# Altium PCB Pleiades_PP.PcbDoc (part 13 of 15)
Units mil, origin at the board's own origin, x right, y up, seen from the top; angles counter-clockwise.
Board outline 12244.09 x 4515.28 mil, 12 copper layers (TOP, GND1, IN1, GND2, POW1, GND3, POW2, GND4, GND5, IN2, GND6, BOT), stack 63.546 mil thick; 1447 components, 738 nets, 4532 pads, 3316 vias.
Unrouted connection lines stored in the file: 499.
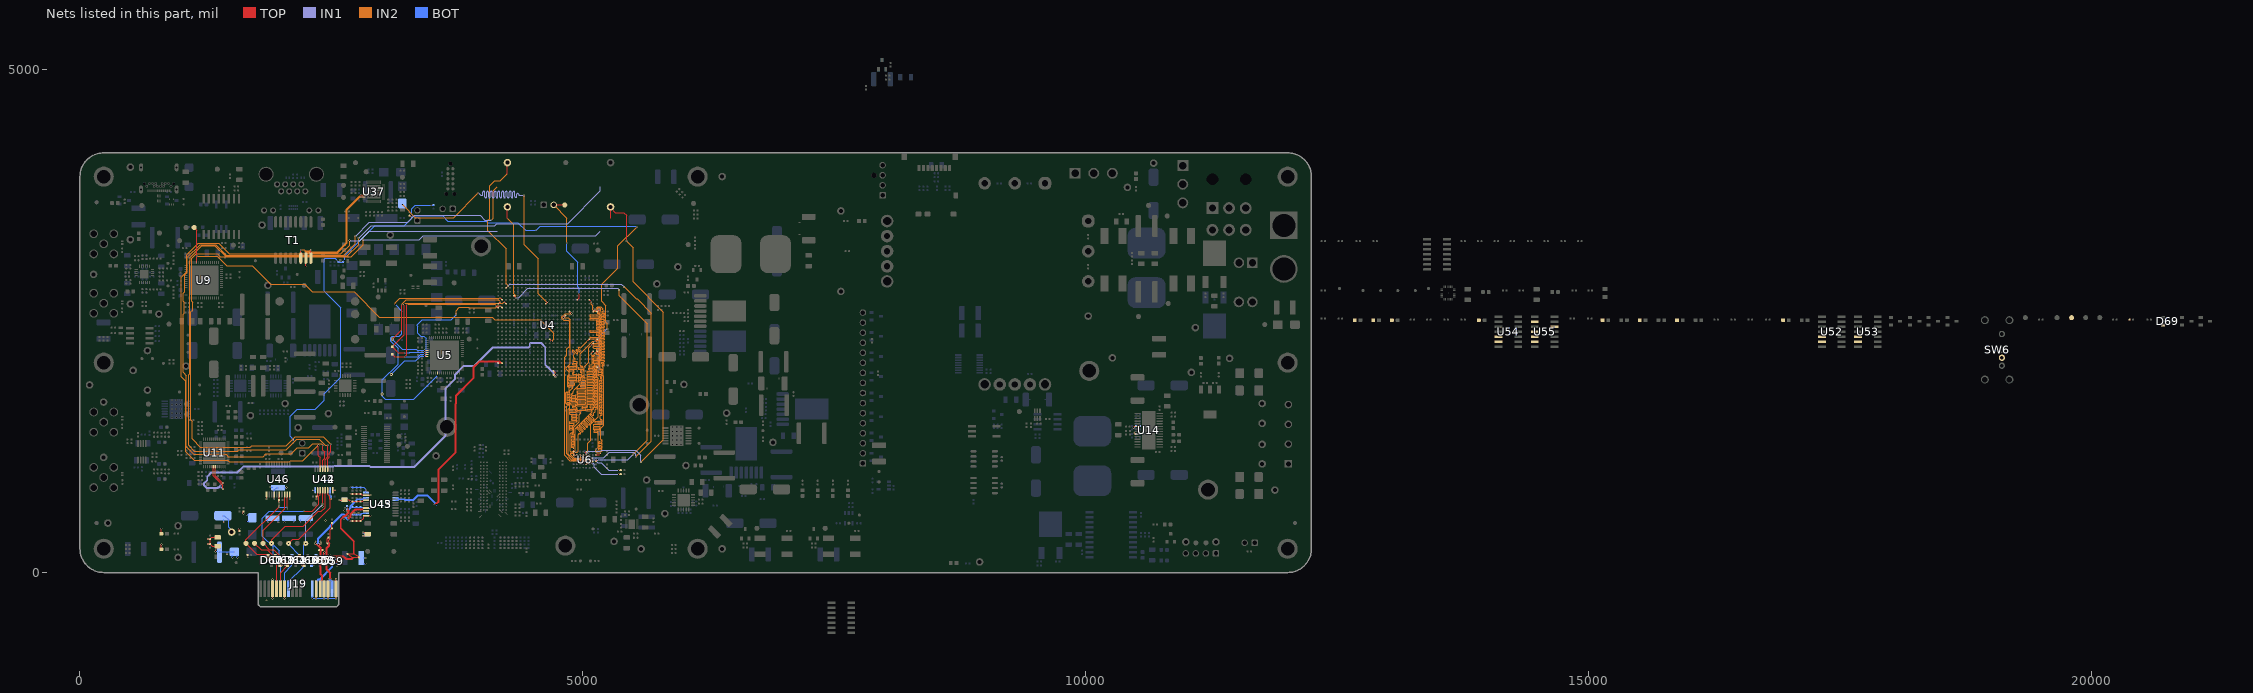
[diagram p23: the nets of this part, all layers, seen from the top]

## Via types
v1: diameter 12/18/18/18/18/18/18/18/18/18/18/12 (per signal layer), hole 6, TOP to BOT, 2739 vias
v2: diameter 20, hole 10, TOP to BOT, 363 vias
v3: diameter 19.68, hole 7.87, TOP to BOT, 110 vias
v4: diameter 40, hole 20, TOP to BOT, 36 vias
v5: diameter 25, hole 12, TOP to BOT, 32 vias
v6: diameter 22, hole 12, TOP to BOT, 27 vias
v7: diameter 19.68, hole 11.81, TOP to BOT, 9 vias

## Nets (pads, with @x,y where several pads share a name; then routed paths per layer and width w, separated by ;. In a path a pad name is that pad's centre, name@x,y a point inside that pad or via, vN(x,y) a via of type N, cw(c..) or ccw(c..) an arc to the next point about the centre after c; other vN are vias at no path point) (continued)
PCI_GND: C539.2 C540.2 C543.1 C544.2 C545.1 C548.1 C549.2 C550.2 C551.2 C552.2 C553.2 C554.2 C555.2 C556.2 C557.2 C558.2 C559.2 C560.2 C561.2 C562.2 C563.2 C571.1 C572.2 C573.2 C574.2 C575.2 C580.2 C581.2 C582.2 C583.2 C584.2 C585.2 C586.2 C594.2 C595.2 C596.2 C597.2 C602.1 D54.2 D55.2 D56.2 D57.2 D58.3 D58.8 D59.4 D60.1 D61.1 D62.1 D63.1 D64.1 D65.1 D66.1 D67.1 D68.1 J19.A4 J19.A12 J19.A15 J19.A18 J19.B4 J19.B7 J19.B13 J19.B16 J19.B18 R344.2 TP148.1 U42.2 U42.8 U43.2 U43.4 U43.10 U44.2 U44.8 U45.2 U45.4 U45.10 U46.11 U46.14 U46.16 U46.20 | length 4109.7
  TOP w10: D56.2@808.96,231.12 v1(808.96,280.07) ; D57.2@808.96,386 v1(808.96,434.96) ; v1(1272.5,282.5) C558.2@1295,282.5 ; v1(1272.5,332.5) C562.2@1295,332.5 ; v1(1347.5,210) 1347.5,210.54 1349.62,212.66 1349.62,232.12 v1(1350,232.5) C557.2@1350,255 ; C563.2@1585,412.5 v1(1585,435) ; v1(1625,585) R344.2@1625,607.5 ; v1(1667.5,152.5) C559.2@1667.5,175 ; v1(1854.84,732.5) U46.11@1854.84,755 ; v1(1915,-70.02) 1915.18,-70.2 1915.18,-257.32 v1(1915.35,-257.5) ; v1(1931.61,732.5) U46.14@1931.61,755 ; D67.1@1942,166 v1(1964.5,166) ; v1(1977.5,697.5) C544.2@1977.5,720 ; D68.1@1988,74 v1(2010.5,74) ; v1(2033.98,-257.5) J19.B7@2033.98,-235 ; v1(2085,732.5) U46.20@2085,755 ; v1(2159.5,166) D64.1@2182,166 ; v1(2205.5,74) D66.1@2228,74 ; v1(2348,-257.5) J19.B13@2348,-235 ; v1(2352.5,732.5) C539.2@2352.5,755 ; v1(2425,75) 2425.16,75.16 2425.16,134.84 D58.8@2425.32,135 2425.32,195.31 v1(2430,200) ; v1(2466.54,-257.5) J19.B16@2466.54,-235 ; U42.8@2512.5,818.7 v1(2535,818.7) ; J19.B18@2545,-85 v1(2545,-62.5) ; v1(2545.87,-257.5) J19.B18@2545.87,-235 ; v1(2580.5,720) 2628,720 C572.2@2630,722 ; v1(2687.5,512.5) C550.2@2710,512.5 C552.2@2750,512.5 C554.2@2790,512.5 2819.34,541.84 2819.34,561.84 2822.34,564.84 U43.10@2842.36,564.84 ; v1(2687.5,707.5) C551.2@2710,707.5 C553.2@2750,707.5 C555.2@2790,707.5 2809.48,707.5 2820.36,718.39 U43.4@2842.36,718.39 ; v1(2687.5,782.5) C573.2@2710,782.5 ; v1(2812.5,365) C549.2@2835,365 ; v1(2812.5,398.2) C549.2@2835,398.2 ; U43.10@2867.5,564.84 v1(2890,564.84) ; U43.2@2867.5,769.57 v1(2890,769.57)
  TOP w12: C557.2@1370,263 1314.5,263 C558.2@1295,282.5 C562.2@1295,332.5 1311.5,349 C561.2@1370.08,349 ; C544.2@1977.5,720 1982.8,725.3 U46.16@1982.8,777.36 ; C539.2@2352.5,755 2362.5,765 U42.2@2362.5,818.7 ; C572.2@2630,722 2673,722 v1(2687.5,707.5) ; C573.2@2710,782.5 C574.2@2750,782.5 C575.2@2790,782.5 2800.93,771.57 2840.36,771.57 U43.2@2842.36,769.57
  BOT w10: v1(1347.5,210) C556.2@1370,210 ; v1(1430,502.5) C560.2@1430,525 ; v1(1462.94,182.5) 1462.94,205 ; v1(1515,147.5) D55.2@1515,170 ; v1(1565,147.5) D55.2@1565,170 ; v1(1657.5,510) D54.2@1680,510 ; v1(1657.5,575) D54.2@1680,575 ; v1(1845.5,166) D60.1@1868,166 ; v1(1868,500.21) C571.1@1868,522.71 ; v1(1892.5,850) C543.1@1915,850 ; J19.A4@1915,-92.52 v1(1915,-70.02) ; v1(1915.35,-257.5) J19.A4@1915.35,-235 ; v1(1931.61,732.5) 1931.61,821.64 1953.97,844 C543.1@1970,844 ; v1(1972.5,500.5) C571.1@1972.5,523 ; C543.1@2030,845 v1(2052.5,845) ; v1(2033.46,500.21) C548.1@2033.46,522.71 ; v1(2039.5,74) D61.1@2062,74 ; D62.1@2108,166 v1(2130.5,166) ; v1(2130.5,500.21) C548.1@2130.5,522.71 ; v1(2195.5,500.21) C602.1@2195.5,522.71 ; v1(2295,500.21) C602.1@2295,522.71 ; D63.1@2302,74 v1(2324.5,74) ; J19.A12@2309.06,-235 v1(2309.06,-257.5) v1(2348,-257.5) v1(2427.17,-257.5) ; v1(2315,818.7) U44.8@2337.5,818.7 ; D65.1@2348,166 v1(2370.5,166) ; J19.A15@2427.17,-235 v1(2427.17,-257.5) ; v1(2497.5,732.5) C540.2@2497.5,755 ; D59.4@2540,130 v1(2540,152.5) ; J19.A18@2545,-85 v1(2545,-62.5) ; J19.A18@2545.87,-235 v1(2545.87,-257.5) v1(2466.54,-257.5) v1(2427.17,-257.5) ; v1(2580.5,720) C580.2@2603,720 ; v1(2687.5,847.5) C581.2@2710,847.5 C583.2@2750,847.5 C585.2@2783.38,847.5 ; C595.2@2710,576.1 2730,576.1 ; C582.2@2710,651.1 C584.2@2750,651.1 C586.2@2790,651.1 2810.88,651.1 2820.36,641.61 U45.4@2842.36,641.61 ; v1(2729.41,593) 2729.79,592.62 2729.79,582.21 2730,582 2730,576.1 ; v1(2770.15,592.62) 2770,592.47 2770,576.1 ; C585.2@2790,847.5 2822.5,847.5 2842.13,827.87 2842.13,818.63 v1(2842.36,818.4) U45.10@2842.36,795.16 ; v1(2812.5,365) 2812.88,365.38 2843.38,365.38 C594.2@2860,382 2844.19,397.81 2812.88,397.81 v1(2812.5,398.2) ; C545.1@2815,86.84 v1(2837.5,86.84) ; C545.1@2815,145.15 v1(2837.5,145.15) ; U45.2@2842.36,590.43 2839.36,587.43 2801.34,587.43 C597.2@2790,576.1 2770,576.1 ; U45.4@2867.5,641.55 v1(2890,641.55) ; 2730,576.1 C596.2@2750,576.1 2770,576.1
  BOT w12: C556.2@1387,201.12 1390.88,205 D55.2@1535,205 ; C560.2@1420.71,565 1434.92,565 1476.72,523.2 1476.72,449.35 1507.87,418.19 TP148.1@1507.87,402.02 ; U44.2@2487.5,818.7 2487.5,765 C540.2@2497.5,755
  other v1: 1855,-275 2556.7,67.91 2577,108.19 2511.24,147.47 2481.56,177.31 2370.5,277.64 2344.85,311.9 2390.15,311.9 2440.6,516.8 2624.99,530 2667.11,561.84 2628.13,615.45 2060.07,634.99 2636.5,644.09 2412.5,657 1977.5,667.2
PCI_HSI0_18_N: C538.1 D58.5 D58.6 J19.A17 TP137.1 | length 716.6
  TOP w4.33: v1(2500.15,-64.21) 2492.81,-56.88 2492.81,-2.31 2459.51,30.99 2459.51,94.58 2464.69,99.76 D58.5@2464.69,104.68 2464.69,109.61 2459.51,114.79 2459.51,124.9 2464.69,130.08 D58.6@2464.69,135 2464.69,139.92 2459.51,145.1 2459.51,241.12 2484.43,266.04 2484.43,290.57 2475.16,299.84 2475.16,321.16 2489,335 2489,424 TP137.1@2505,440 C538.1@2505,492.5
  BOT w4.33: v1(2500.15,-64.21) 2499.18,-64.21 2490.88,-72.51 2490.88,-78.37 2493.42,-80.9 2493.6,-80.9 2505.91,-93.21 J19.A17@2505.91,-161.42
PCI_HSI0_18_P: C537.1 D58.4 D58.7 J19.A16 TP136.1 | length 558.6
  TOP w4.33: TP136.1@2460,290 2475.1,274.9 2475.1,269.9 2450.18,244.98 2450.18,145.1 2445,139.92 D58.7@2445,135 2445,130.08 2450.18,124.9 2450.18,114.79 2445,109.61 D58.4@2445,104.68 2445,99.76 2450.18,94.58 2450.18,27.13 2483.49,-6.18 2483.49,-56.88 v1(2476.15,-64.21) ; TP136.1@2460,295 2460,337.5 C537.1@2470,347.5
  BOT w4.33: J19.A16@2466.54,-161.42 2466.54,-93.21 2478.85,-80.9 2479.02,-80.9 2481.56,-78.37 2481.56,-70.58 2476.15,-65.18 v1(2476.15,-64.21)
PCI_HSO0_18_N: D58.2 D58.9 J19.B15 R335.2 TP140.1 U43.8 | length 1224.1
  TOP w4.33: v1(2395,290) 2382.64,277.64 2382.64,261.62 2399.66,244.6 2399.66,231.24 2402.2,228.71 2403.72,228.71 R335.2@2410.42,222 ; R335.2@2412.5,222 R335.2@2410.42,222 ; J19.B15@2427.17,-161.42 2427.17,-93.21 2414.86,-80.9 2414.68,-80.9 2412.14,-78.37 2412.14,-29.55 2400.45,-17.86 2400.45,94.58 2405.63,99.76 D58.2@2405.63,104.68 2405.63,109.61 2400.45,114.79 2400.45,124.9 2405.63,130.08 D58.9@2405.63,135 2405.63,139.92 2400.45,145.1 2400.45,177.31 2399.66,178.09 2399.66,212.76 2402.2,215.29 2403.72,215.29 R335.2@2410.42,222 ; v1(2672.73,523.79) v1(2672.73,523.79) 2672.68,532.84 2694.84,555 2694.84,578.45 2740.54,624.16 2811.99,624.16 2820.12,616.02 U43.8@2842.36,616.02
  BOT w4.33: v1(2395,290) 2374.7,290 2372.16,292.53 2372.16,337.16 2608.21,573.21 2621.13,573.21 2631.75,562.59 2631.75,551.18 2659.14,523.79 v1(2672.73,523.79)
PCI_HSO0_18_P: D58.1 D58.10 J19.B14 R335.1 TP138.1 U43.7 | length 1237.3
  TOP w4.33: v1(2340,290) 2341.08,290 2390.34,240.74 2390.34,231.24 2387.8,228.71 2386.28,228.71 R335.1@2379.58,222 ; R335.1@2377.5,222 R335.1@2379.58,222 ; J19.B14@2387.8,-161.42 2387.8,-93.21 2400.11,-80.9 2400.28,-80.9 2402.82,-78.37 2402.82,-33.41 2391.12,-21.72 2391.12,94.58 2385.94,99.76 D58.1@2385.94,104.68 2385.94,109.61 2391.12,114.79 2391.12,124.9 2385.94,130.08 D58.10@2385.94,135 2385.94,139.92 2391.12,145.1 2391.12,173.44 2390.34,174.23 2390.34,212.76 2387.8,215.29 2386.28,215.29 R335.1@2379.58,222 ; v1(2658.98,543.98) 2660.44,542.51 2665.12,542.51 2665.35,542.28 2668.93,542.28 2685.51,558.86 2685.51,582.32 2736.67,633.48 2811.99,633.48 2820.12,641.61 U43.7@2842.36,641.61
  BOT w4.33: v1(2340,290) 2360.3,290 2362.84,292.53 2362.84,341.03 2604.35,582.53 2624.99,582.53 2641.07,566.45 2641.07,555.04 2653.76,542.35 2653.92,542.51 2657.51,542.51 v1(2658.98,543.98)
PCI_JTAG_EN_7: D69.2 R353.2 SW6.3 TP176.1 U52.13 U53.13 U54.13 U55.13
PCI_REFCLK_18_N: D59.5 J19.A14 R342.2 TP147.1 U45.8 | length 1569.9
  TOP w4.33: v1(2562.5,90.63) 2562.5,91.62 2554.16,99.96 2554.16,156.08 2556.7,158.62 2615.45,158.62 2642.04,132.02 2706.92,132.02 2714.91,140.02 2714.91,147.47 2717.45,150 TP147.1@2775,150 2753.67,171.33 2745.62,171.33 2729.41,187.53 2729.41,310.26 2600,439.67 2600,527.46 2630.84,558.3 2641.65,558.3 2676.82,593.46 2676.82,615.48 2667.11,625.19 2667.11,629.56 2669.44,631.89 2669.44,642.62 v1(2670.91,644.09)
  BOT w4.33: J19.A14@2387.8,-161.42 2387.8,-93.21 2375.49,-80.9 2375.31,-80.9 2372.77,-78.37 2372.77,-72.82 2375.31,-70.29 2388.57,-70.29 2515.23,56.38 2515.23,80.81 2511.24,84.8 2511.24,99.91 2513.78,102.44 2525.24,102.44 2537.05,90.63 D59.5@2540,90.63 v1(2562.5,90.63) ; v1(2670.91,644.09) 2672.99,644.09 2675.52,641.55 2680.86,641.55 2685.51,646.2 2685.51,664.17 2757.19,735.84 2811.99,735.84 2820.12,743.98 U45.8@2842.36,743.98
  BOT w10: R342.2@2655,660 v1(2670.91,644.09)
PCI_REFCLK_18_P: D59.3 J19.A13 R342.1 TP146.1 U45.7 | length 1585
  TOP w4.33: v1(2486.85,152.5) 2501.01,166.66 2545.87,166.66 2546.92,165.61 2550.5,165.61 2552.83,167.94 2619.31,167.94 2645.9,141.35 2703.05,141.35 2705.59,143.88 2705.59,147.47 2688.32,164.73 2680.27,164.73 TP146.1@2660,185 2717.55,185 2720.09,187.53 2720.09,306.4 2590.67,435.81 2590.67,531.32 2626.97,567.62 2637.79,567.62 2667.49,597.33 2667.49,611.62 2661.12,617.99 2657.53,617.99 2655,615.45 v1(2655,602.5)
  BOT w4.33: J19.A13@2348.43,-161.42 2348.43,-93.21 2360.74,-80.9 2360.91,-80.9 2363.45,-78.37 2363.45,-68.96 2371.44,-60.96 2384.7,-60.96 2505.91,60.24 2505.91,76.95 2501.92,80.94 2501.92,103.77 2507.18,109.04 2507.18,112.62 2489.8,130 D59.3@2486.85,130 v1(2486.85,152.5) ; v1(2655,602.5) 2694.84,642.34 2694.84,660.31 2761.05,726.52 2811.99,726.52 2820.12,718.39 U45.7@2842.36,718.39
  BOT w10: v1(2655,602.5) R342.1@2655,625
PCI_SMCLK_18: D67.2 J19.B5 TP161.1 U46.19 | length 1341.6
  TOP w5.95: J19.B5@1954.72,-161.42 1954.72,73.28 1868,160 D67.2@1868,166 1868,172 1856.98,183.02 1756.98,183.02 TP161.1@1650,290 1650,324.1 v1(1977,651.1) ; v1(2059.57,651.1) U46.19@2059.57,777.36
  BOT w5.95: v1(1977,651.1) v1(2059.57,651.1)
PCI_SMDAT_18: D68.2 J19.B6 TP162.1 U46.18 | length 1180.2
  TOP w5.95: J19.B6@1994.09,-161.42 1994.09,0.09 2062,68 D68.2@2062,74 2062,80 1979.48,162.52 1979.48,172.2 1924.79,226.89 1883.11,226.89 TP162.1@1820,290 1820,421.48 2033.98,635.46 U46.18@2033.98,777.36
PCI_TCK: U42.14 U54.12 | length 6973.4
  TOP w10: v1(2370,1265) 2370,1162.65 2387.5,1145.15 U42.14@2387.5,1031.3
  IN1 w10: v1(2680,3300) 2681,3301 2781,3301 2875,3395 4150,3395
  IN2 w5: v1(2370,1265) 2215.46,1110.46 2093.28,1110.46 2082.06,1099.24 1485.76,1099.24 1468.68,1116.32 1133.68,1116.32 1049.5,1200.5 1049.5,1900.5 1005,1945 1005,2935 1060,2990 1060,3160 1175,3275 1380,3275 1485,3170 2595,3170 2680,3255 v1(2680,3300)
PCI_TCK_18: D60.2 J19.A5 TP153.1 U42.3 | length 1776.5
  TOP w5.96: TP153.1@1735,290 1800.64,224.36 1861.14,224.36 v1(1919.5,166) ; v1(2228,611.62) 2310.9,611.62 2376.15,676.87 2376.15,764.2 2387.5,775.56 U42.3@2387.5,818.7
  BOT w5.96: J19.A5@1954.72,-161.42 1954.72,147.28 1942,160 D60.2@1942,166 v1(1919.5,166) 1919.5,254.32 1812.5,361.32 1812.5,540.43 1883.69,611.62 v1(2228,611.62)
PCI_TDI: U42.12 U53.12 | length 8118.3
  TOP w10: U42.12@2437.5,1031.3 2437.5,1122.57 2465,1150.07 v1(2465,1265)
  IN1 w10: v1(2770,3325) 2895,3450 4125.2,3450 4145.2,3470 4850,3470 5175,3795 5175,3835
  IN2 w5: v1(2465,1265) 2439.75,1265 2379.75,1325 2155,1325 2048.5,1218.5 1578.5,1218.5 1568.03,1208.03 1136.97,1208.03 1081,1264 1081,1966 1091.01,1976.01 1091.01,3097.91 1093.93,3100.83 1093.93,3133.93 1210,3250 1340,3250 1442,3148 2658,3148 2770,3260 v1(2770,3325)
PCI_TDI_18: D61.2 J19.A6 TP154.1 U42.5 | length 1361.7
  TOP w5.95: v1(1905,290) 1905,324.85 2041.15,461 2220.41,461 2366.91,607.5 2399.51,607.5 2437.5,645.49 U42.5@2437.5,818.7
  BOT w5.95: v1(1905,290) 1979.48,215.52 1979.48,167.84 1988,159.32 D61.2@1988,74 1994.09,67.91 J19.A6@1994.09,-161.42
PCI_TDO: U42.11 U55.11 | length 7788.4
  TOP w10: U42.11@2462.5,1031.3 2462.5,1129.19 2478.56,1145.25 2478.56,1186.09 2495,1202.53 v1(2495,1275)
  IN1 w10: v1(2815,3310) 3374.51,3310 3414.51,3350 5130,3350 5175,3395
  IN2 w5: v1(2495,1275) 2420,1350 2140,1350 2051.5,1261.5 1707.08,1261.5 1693.42,1247.84 1197.16,1247.84 1115,1330 1115,1505 1101,1519 1101,2591 1120,2610 1120,2685 1110,2695 1110,3125 1155,3170 1365,3170 1395,3140 2695,3140 2815,3260 v1(2815,3310)
PCI_TDO_18: D62.2 J19.A7 TP155.1 U42.6 | length 1302.8
  TOP w5.96: v1(2075,290) 2113.55,328.55 2174.36,328.55 2487.5,641.68 2487.5,721.32 2482.52,726.3 2482.52,755.84 2462.5,775.86 U42.6@2462.5,818.7
  BOT w5.96: J19.A7@2033.46,-161.42 2033.46,0.15 2103.23,69.92 2103.23,81.23 2182,160 D62.2@2182,166 2182,172 2075,279 v1(2075,290)
PCI_TMS: U42.13 U52.12 | length 7326.2
  TOP w10: U42.13@2412.5,1031.3 2412.5,1115.96 2433,1136.46 2433,1199.53 2415,1217.53 v1(2415,1265)
  IN1 w10: v1(2740,3345) 2875.5,3480.5 3260.5,3480.5 3330,3550 3980,3550 4025,3505 v1(4090,3505)
  IN2 w5: v1(2415,1265) 2397.5,1282.5 2315.74,1282.5 2275.16,1241.92 2161.92,1241.92 2098.5,1178.5 1848.5,1178.5 1823.5,1153.5 1476.5,1153.5 1455,1175 1133,1175 1058,1250 1058,1959.02 1026.01,1991.01 1026.01,2569.75 1036.5,2580.24 1036.5,2684.76 1026.01,2695.25 1026.01,2775.16 1042.82,2791.97 1042.82,2960.8 1068.5,2986.48 1068.5,3133.5 1195,3260 1350,3260 1454,3156 2623.02,3156 2667.02,3200 2738.5,3271.48 2738.5,3343.5 v1(2740,3345)
  IN2 w10: v1(4090,3505) 4110,3525 4110,3795 4150,3835
PCI_TMS_18: D63.2 J19.A8 TP157.1 U42.4 | length 1122.9
  TOP w5.96: v1(2412.12,681.16) 2412.31,681.35 2412.31,818.51 U42.4@2412.5,818.7
  IN1 w5.96: v1(2245,290) 2245,514.04 v1(2412.12,681.16)
  BOT w5.96: J19.A8@2072.83,-161.42 2072.83,-92.52 2219,53.65 2219,65 D63.2@2228,74 2228,129.77 2225.5,132.27 2225.5,270.5 v1(2245,290)
PLL_LOCK: TP20.1 U4.B20 U5.37 | length 2909.3
  TOP w8.89: v1(4177.17,2732.28) U4.B20@4196.85,2712.6
  TOP w10: v1(3556.1,1961.32) U5.37@3556.1,1983.82
  IN2 w6: v1(3135,2665) 3135,2680 3180,2725 4169.88,2725 v1(4177.17,2732.28)
  BOT w6: v1(3135,2665) 3200,2600 3200,2375 3175,2350 3105,2350 3090,2335 3090,2300 3162.5,2227.5 3162.5,2072.5 3005,1915 v1(3005,1775) 3005,1755 3035,1725 3319.78,1725 v1(3556.1,1961.32)
PLL_SPI_CLK: TP17.1 U4.A18 U5.24 | length 1813.1
  TOP w6: v1(3230,2145) 3250,2165 v1(3250,2665)
  TOP w8.89: v1(4137.8,2653.54) U4.A18@4157.48,2633.86
  TOP w10: TP17.1@3105,2170 3130,2145 v1(3230,2145) ; v1(3426.32,2169.84) U5.24@3448.82,2169.84
  IN2 w6: v1(3250,2665) 4126.34,2665 v1(4137.8,2653.54)
  BOT w10: v1(3230,2145) 3362.78,2145 3387.62,2169.84 v1(3426.32,2169.84)
PLL_SPI_LE: TP16.1 U4.B18 U5.25 | length 1761.1
  TOP w8.89: v1(4177.17,2653.54) U4.B18@4196.85,2633.86
  TOP w10: v1(3426.32,2150.16) U5.25@3448.82,2150.16
  IN2 w6: v1(3740,2565) 3740,2605 3772,2637.01 3866.02,2637.01 3870.03,2633 4134.22,2633 4154.77,2653.54 v1(4177.17,2653.54)
  BOT w6: v1(3426.32,2150.16) 3427.85,2150.16 3441.32,2163.63 3441.32,2327.85 3417.75,2351.43 3388.57,2351.43 3360,2380 3360,2446.43 3353.2,2453.23 3353.2,2465.87 3402.76,2515.44 3690.44,2515.44 v1(3740,2565)
  BOT w10: v1(3095,1970) 3229.5,2104.5 3340.67,2104.5 3386.32,2150.16 v1(3426.32,2150.16)
PLL_SPI_MISO: TP19.1 U4.A19 U5.22 | length 1804.8
  TOP w5: v1(3105,2320) 3200,2415 v1(3200,2665)
  TOP w8.89: U4.A19@4157.48,2673.23 v1(4177.17,2692.91)
  TOP w10: v1(3426.32,2209.21) U5.22@3448.82,2209.21
  IN2 w5: v1(3200,2665) 3245,2710 4160.08,2710 v1(4177.17,2692.91)
  BOT w10: v1(3105,2320) 3204.5,2220.5 3343.54,2220.5 3354.83,2209.21 v1(3426.32,2209.21)
PLL_SPI_MOSI: TP18.1 U4.C19 U5.23 | length 1872.5
  TOP w4.33: v1(3426.32,2189.53) U5.23@3448.82,2189.53
  TOP w6: TP18.1@3105,2245 3105,2246.21 3225,2366.21 v1(3225,2665)
  TOP w8.89: v1(4217.43,2692.85) U4.C19@4237.11,2673.16
  TOP w10: TP18.1@3105,2245 3165.5,2184.5 3197.23,2184.5 3197.73,2185 v1(3230,2185)
  IN2 w6: v1(3225,2665) 3238.92,2678.92 4203.51,2678.92 v1(4217.43,2692.85)
  BOT w10: v1(3230,2185) 3277.08,2185 3280.41,2188.34 3425.13,2188.34 v1(3426.32,2189.53)
PROGRAM_B: R66.2 R67.1 R68.1 R277.2 R285.1 U4.AF3 | length 7603.9
  TOP w8.89: U4.AF3@5141.73,2043.31 v1(5161.42,2023.62)
  TOP w10: R66.2@3275,3547.5 v1(3297.5,3547.5)
  IN2 w6: v1(5245,2420) 5245,2472 5229.87,2487.13 5229.87,2654.23 5188.76,2695.35 5188.76,2866.74 5349.38,3027.36 5349.38,3249.38 v1(5535,3435)
  BOT w6: v1(3297.5,3547.5) 3605.81,3547.5 3658.31,3495 4040,3495 4055,3480 4355,3480 4430,3405 v1(4535,3405) 4575,3445 5525,3445 v1(5535,3435)
  BOT w8.89: v1(5161.42,2023.62) 5161.42,2346.42 5235,2420 v1(5245,2420)
  BOT w10: R67.1@2120,1322.5 2090,1352.5 2090,1555 2160.41,1625.41 2340.41,1625.41 2430,1715 2430,1780 2593,1943 2593,2632.05 2428.04,2797.01 2428.04,3116.88 2438.15,3127 2537.04,3127 2547,3117.04 2547,3111.27 v1(2554.86,3103.41) R285.1@2570.77,3087.5 R277.2@2615,3087.5 v1(2630.91,3103.41) 2630.91,3150.91 2930,3450 3051.96,3450 3052.46,3449.5 3066.54,3449.5 3067.04,3450 3225,3450 3297.5,3522.5 v1(3297.5,3547.5) 3297.5,3617.5 3332.5,3652.5 v1(3492.5,3652.5) R68.1@3515,3652.5
PROM_D0: U4.AD20 U6.H6 | length 2899.4
  TOP w5.95: U6.H6@5129.49,1200.98 v1(5129.49,1223.26)
  TOP w8.89: U4.AD20@5062.99,2712.6 v1(5082.68,2692.91)
  IN2 w3.68: v1(5082.68,2692.91) 5082.68,2668.87 5100.25,2651.3 5100.25,2612.16 5116.73,2595.68 5127.37,2595.68 5141.73,2610.05 5141.73,2618.3 5154.44,2631.01 5168.39,2631.01 5180,2619.4 5180,2596.93 5172.26,2589.19 5172.26,2030.3 5172.26,2028.46 ccw(c5180.09,2028.46) 5180.09,2020.62 5184.63,2020.62 cw(c5184.63,2012.78) 5184.63,2004.95 5159.51,2004.95 ccw(c5159.51,1997.11) 5159.51,1989.27 5184.63,1989.27 cw(c5184.63,1981.43) 5184.63,1973.59 5159.51,1973.59 ccw(c5159.51,1965.75) 5159.51,1957.92 5184.63,1957.92 cw(c5184.63,1950.08) 5184.63,1942.24 5180.09,1942.24 ccw(c5180.09,1934.4) 5180.09,1926.56 5184.63,1926.56 cw(c5184.63,1918.72) 5184.63,1910.89 5169.51,1910.89 ccw(c5169.51,1903.05) 5169.51,1895.21 5184.63,1895.21 cw(c5184.63,1887.37) 5184.63,1879.53 5169.51,1879.53 ccw(c5169.51,1871.69) 5169.51,1863.86 5184.63,1863.86 cw(c5184.63,1856.02) 5184.63,1848.18 5169.51,1848.18 ccw(c5169.51,1840.34) 5169.51,1832.5 5184.63,1832.5 cw(c5184.63,1824.66) 5184.63,1816.83 5169.51,1816.83 ccw(c5169.51,1808.99) 5169.51,1801.15 5184.63,1801.15 cw(c5184.63,1793.31) 5184.63,1785.47 5169.51,1785.47 ccw(c5169.51,1777.63) 5169.51,1769.8 5184.63,1769.8 cw(c5184.63,1761.96) 5184.63,1754.12 5169.51,1754.12 ccw(c5169.51,1746.28) 5169.51,1738.44 5184.63,1738.44 cw(c5184.63,1730.6) 5184.63,1722.77 5169.51,1722.77 ccw(c5169.51,1714.93) 5169.51,1707.09 5184.63,1707.09 cw(c5184.63,1699.25) 5184.63,1691.41 5169.51,1691.41 ccw(c5169.51,1683.58) 5169.51,1675.74 5184.63,1675.74 cw(c5184.63,1667.9) 5184.63,1660.06 5169.51,1660.06 ccw(c5169.51,1652.22) 5169.51,1644.38 5184.63,1644.38 cw(c5184.63,1636.55) 5184.63,1628.71 5169.51,1628.71 ccw(c5169.51,1620.87) 5169.51,1613.03 5184.63,1613.03 cw(c5184.63,1605.19) 5184.63,1597.35 5169.51,1597.35 ccw(c5169.51,1589.52) 5169.51,1581.68 5184.63,1581.68 cw(c5184.63,1573.84) 5184.63,1566 5180.09,1566 ccw(c5180.09,1558.16) 5172.26,1558.16 5172.26,1526.81 ccw(c5180.09,1526.81) 5180.09,1518.97 5184.63,1518.97 cw(c5184.63,1511.13) 5184.63,1503.29 5125.57,1503.29 ccw(c5125.57,1495.46) 5125.57,1487.62 5184.63,1487.62 cw(c5184.63,1479.78) 5184.63,1471.94 5109.44,1471.94 ccw(c5109.44,1464.1) 5109.44,1456.26 5167.24,1456.26 cw(c5167.24,1448.43) 5167.24,1440.59 5109.44,1440.59 ccw(c5109.44,1432.75) 5109.44,1424.91 5164.42,1424.91 cw(c5164.42,1417.07) 5164.42,1409.23 5116.63,1409.23 ccw(c5116.63,1401.4) 5116.63,1393.56 5142.74,1393.56 cw(c5142.74,1385.72) 5150.58,1385.72 5150.58,1350.01 5150.58,1244.35 v1(5129.49,1223.26)
PROM_D1: U4.AE17 U6.H5 | length 2898.6
  TOP w5.95: U6.H5@5129.49,1169.49 5165.12,1169.49 5170.86,1175.24 v1(5172.5,1175.24)
  TOP w8.89: U4.AE17@5102.36,2594.49 v1(5122.05,2614.17)
  IN2 w3.68: v1(5122.05,2614.17) 5149.8,2641.93 5178.07,2641.93 5195.4,2624.6 5195.4,2619.78 5195.4,2612.45 5205,2602.85 5205,2602.26 cw(c5197.16,2602.26) 5197.16,2594.42 5194.03,2594.42 ccw(c5194.03,2586.58) 5194.03,2578.74 5207.52,2578.74 cw(c5207.52,2570.91) 5207.52,2563.07 5186.77,2563.07 ccw(c5186.77,2555.23) 5186.77,2547.39 5207.52,2547.39 cw(c5207.52,2539.55) 5207.52,2531.72 5186.77,2531.72 ccw(c5186.77,2523.88) 5186.77,2516.04 5207.52,2516.04 cw(c5207.52,2508.2) 5207.52,2500.36 5186.77,2500.36 ccw(c5186.77,2492.52) 5186.77,2484.69 5207.52,2484.69 cw(c5207.52,2476.85) 5207.52,2469.01 5186.77,2469.01 ccw(c5186.77,2461.17) 5186.77,2453.33 5207.52,2453.33 cw(c5207.52,2445.49) 5207.52,2437.66 5186.77,2437.66 ccw(c5186.77,2429.82) 5186.77,2421.98 5207.52,2421.98 cw(c5207.52,2414.14) 5207.52,2406.3 5186.77,2406.3 ccw(c5186.77,2398.46) 5186.77,2390.63 5207.52,2390.63 cw(c5207.52,2382.79) 5207.52,2374.95 5186.77,2374.95 ccw(c5186.77,2367.11) 5186.77,2359.27 5207.52,2359.27 cw(c5207.52,2351.43) 5207.52,2343.6 5186.77,2343.6 ccw(c5186.77,2335.76) 5186.77,2327.92 5207.52,2327.92 cw(c5207.52,2320.08) 5207.52,2312.24 5186.77,2312.24 ccw(c5186.77,2304.4) 5186.77,2296.57 5207.52,2296.57 cw(c5207.52,2288.73) 5207.52,2280.89 5186.77,2280.89 ccw(c5186.77,2273.05) 5186.77,2265.21 5207.52,2265.21 cw(c5207.52,2257.37) 5207.52,2249.54 5186.77,2249.54 ccw(c5186.77,2241.7) 5186.77,2233.86 5207.52,2233.86 cw(c5207.52,2226.02) 5207.52,2218.18 5186.77,2218.18 ccw(c5186.77,2210.34) 5186.77,2202.51 5207.52,2202.51 cw(c5207.52,2194.67) 5207.52,2186.83 5186.77,2186.83 ccw(c5186.77,2178.99) 5186.77,2171.15 5207.52,2171.15 cw(c5207.52,2163.32) 5207.52,2155.48 5186.77,2155.48 ccw(c5186.77,2147.64) 5186.77,2139.8 5207.52,2139.8 cw(c5207.52,2131.96) 5207.52,2124.12 5186.77,2124.12 ccw(c5186.77,2116.29) 5186.77,2108.45 5207.52,2108.45 cw(c5207.52,2100.61) 5207.52,2092.77 5192.39,2092.77 ccw(c5192.39,2084.93) 5192.39,2077.09 5205,2077.09 cw(c5205,2069.26) 5205,2061.42 5197.16,2061.42 ccw(c5197.16,2053.58) 5197.16,2045.74 cw(c5197.16,2037.9) 5205,2037.9 5205,1955 5205.84,1954.16 5205.84,1461.91 5178.93,1435 5178.93,1350.67 5178.93,1322.8 ccw(c5186.77,1322.8) 5186.77,1314.96 cw(c5186.77,1307.12) 5186.77,1299.28 5165.79,1299.28 ccw(c5165.79,1291.45) 5165.79,1283.61 5184.35,1283.61 cw(c5184.35,1275.77) 5184.35,1267.93 5165.09,1267.93 ccw(c5165.09,1260.09) 5165.09,1252.25 5184.35,1252.25 cw(c5184.35,1244.42) 5184.35,1236.58 5160.09,1236.58 ccw(c5160.09,1228.74) 5160.09,1220.9 5184.35,1220.9 cw(c5184.35,1213.06) 5184.35,1205.22 5146.77,1205.22 ccw(c5146.77,1197.39) 5146.77,1189.55 5171.09,1189.55 cw(c5171.09,1181.71) 5178.93,1181.71 ; v1(5172.5,1175.24) 5177.13,1179.87 5178.93,1181.67